# KiCad board fabiTEM_0-4.kicad_pcb
title: fabiTEM split keyboard; date: 2024-05-19; rev: 0.5; note: Made by GEIST & fabi
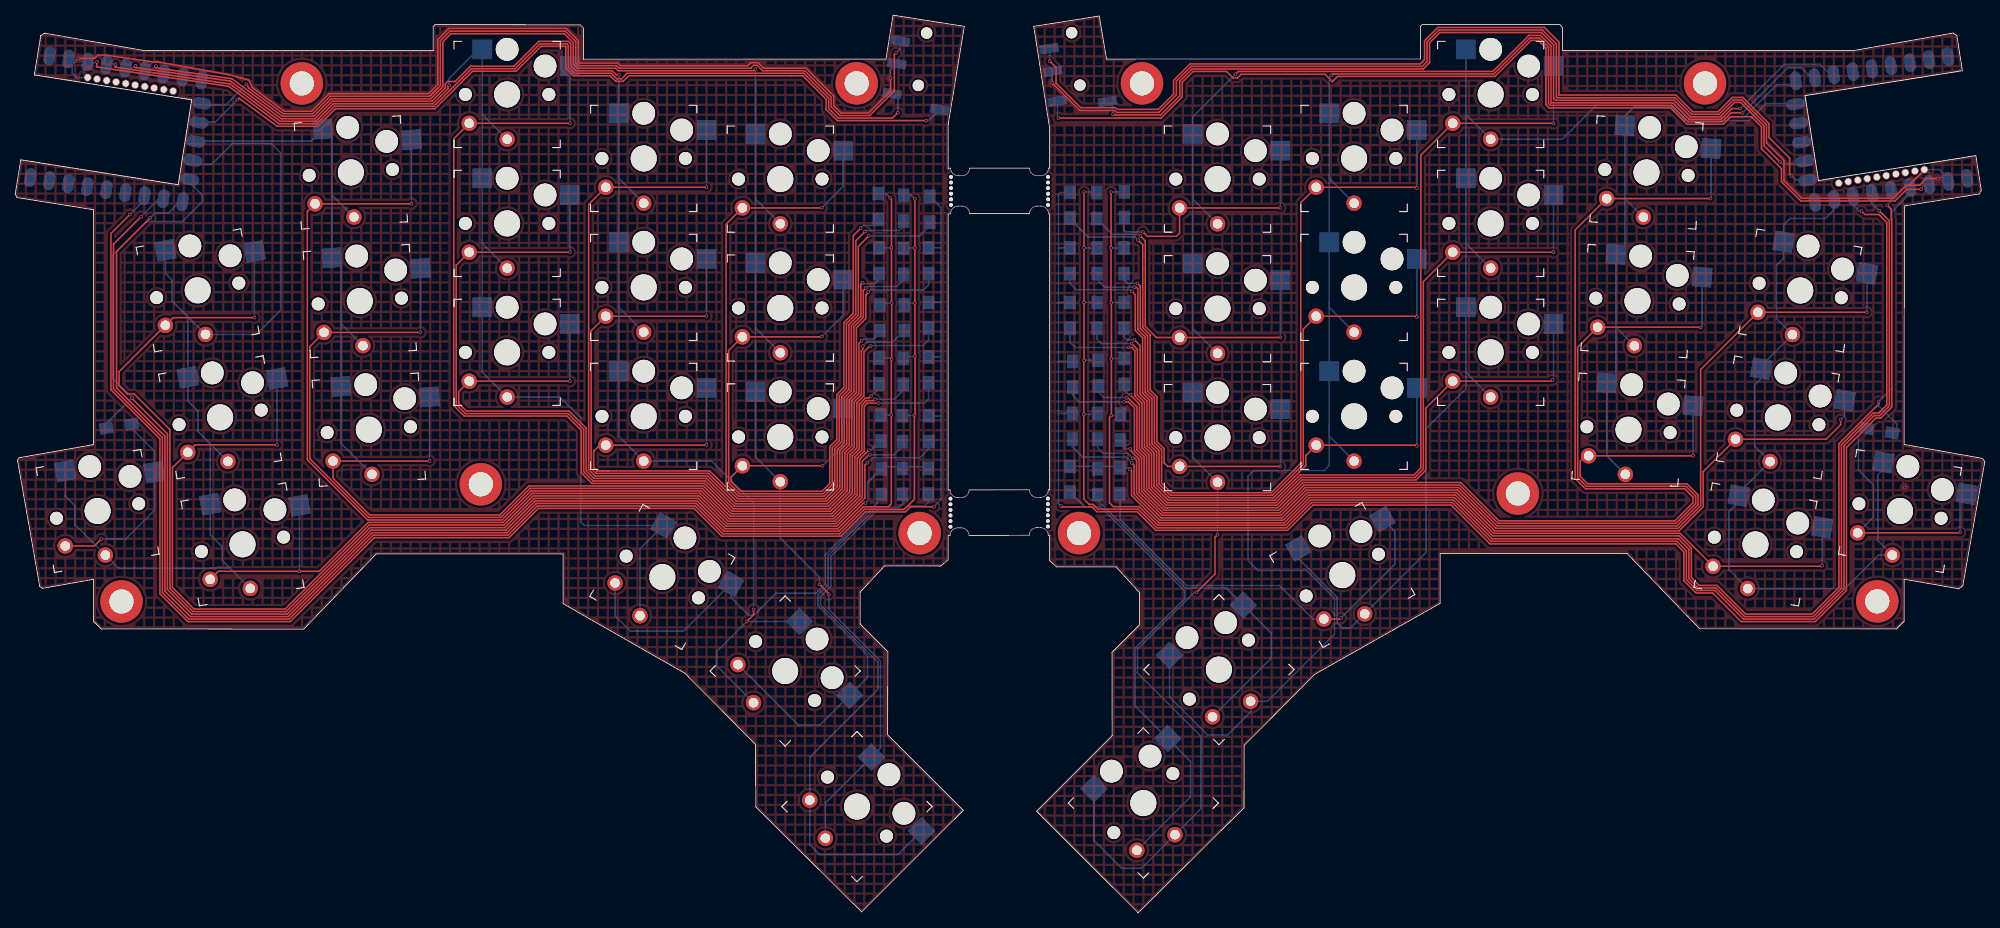
[diagram p0: board, top side]
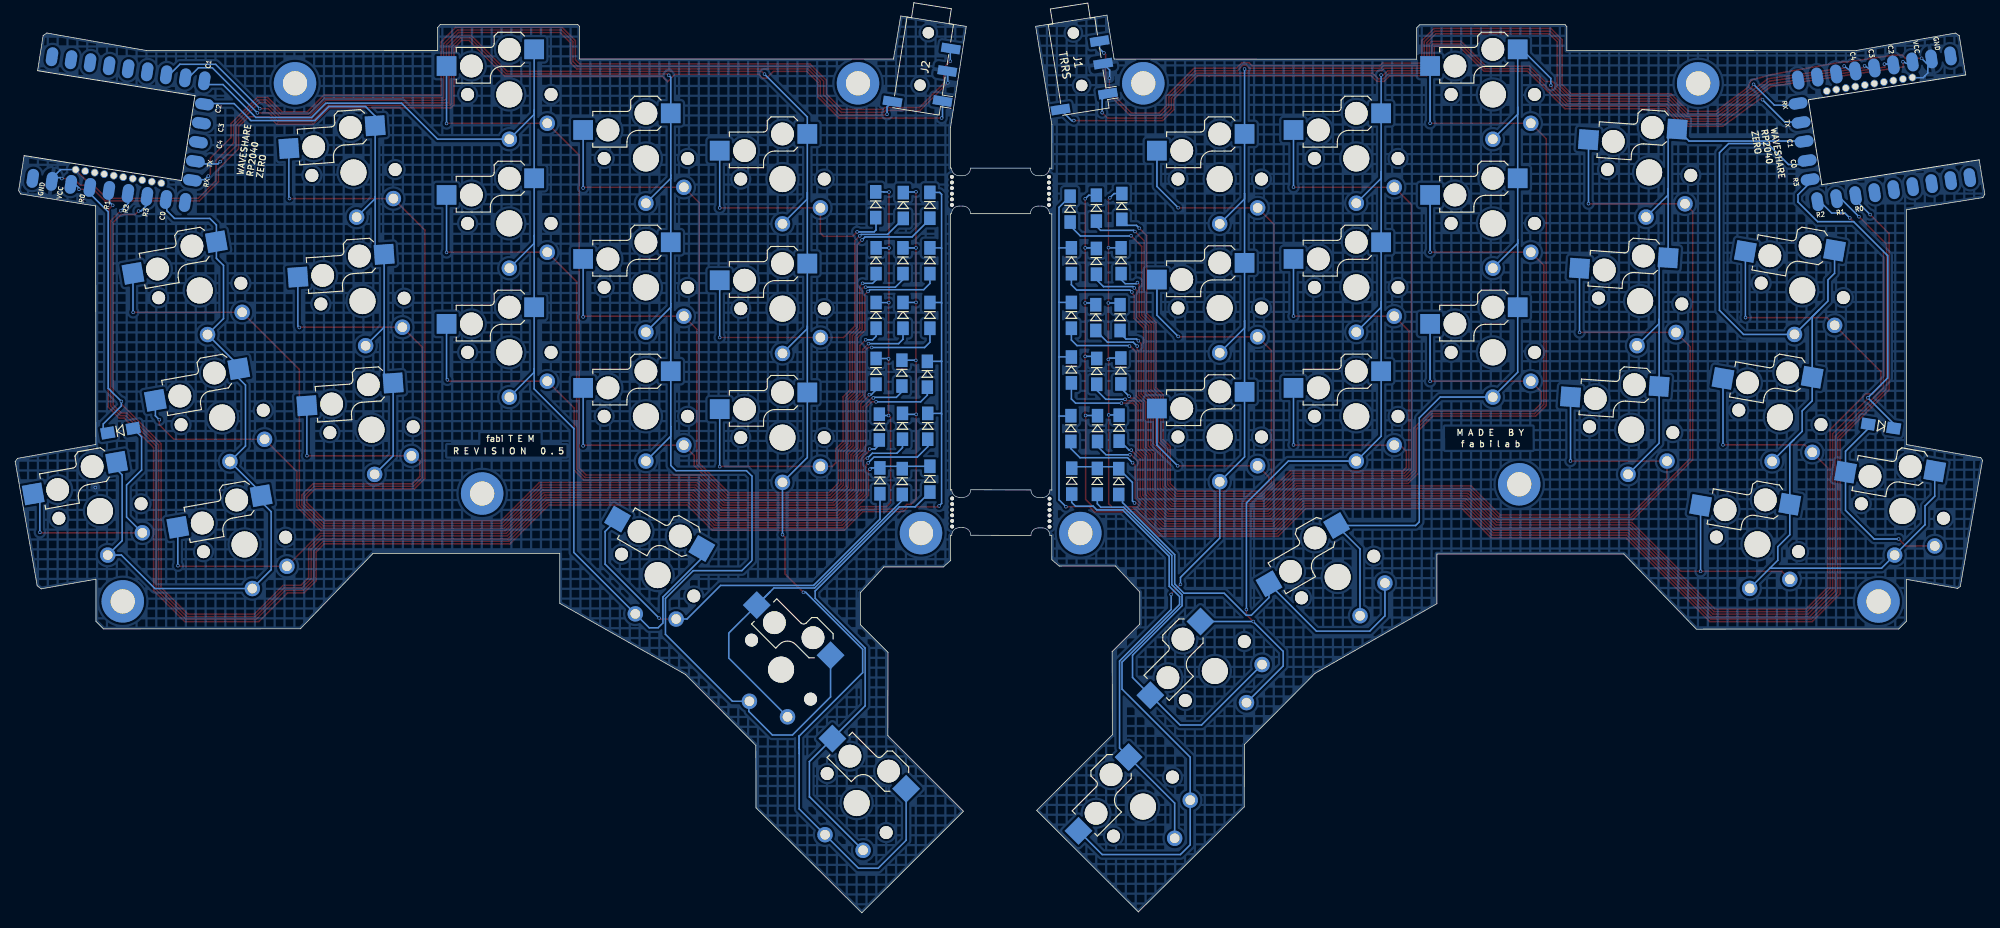
[diagram p1: board, bottom side, seen from below]

Outline 259.59 x 118.35 mm; copper layers: Top, Bottom. Coordinates in mm from the lower left corner of the outline.
Outline path: 0.74,99.28 0,94.75 0.25,94.3 10.31,92.7 10.33,61.74 0.54,60.01 0.53,60.01 0.3,59.67 3.24,43.02 3.58,42.78 10.34,43.97 10.34,38.43 11.34,37.43 38.02,37.4 47.57,47.31 72.21,47.31 72.21,40.75 88.29,31.56 97.59,22.19 97.61,13.96 111.56,0.11 124.96,13.51 114.99,23.48 115.01,34.46 111.38,38.06 111.38,42.3 114.58,45.73 122,45.72 122.96,46.56 122.97,49.74 123.22,49.76 ; 2.52,110.47 3.37,115.65 3.86,115.99 16.93,113.69 55.09,113.7 55.09,116.85 55.33,117.11 74.51,117.08 74.88,116.68 74.88,112.55 114.76,112.56 115.7,118.35 125.09,116.88 122.96,103.92 122.97,98.18 123.29,98.18 ; 123.29,92.18 122.97,92.15 122.97,55.75 123.22,55.76 ; 125.79,92.18 133.68,92.18 ; 125.79,98.18 133.68,98.18 ; 133.65,49.78 125.72,49.76 ; 133.65,55.78 125.72,55.76 ; 136.18,92.18 136.32,92.15 136.32,55.75 136.15,55.78 ; 136.18,98.18 136.31,98.2 136.32,103.52 134.24,116.88 142.88,118.25 143.84,112.57 185.2,112.58 185.2,116.87 185.43,117.11 203.58,117.11 203.94,116.7 203.94,113.7 242.34,113.7 255.41,116 255.9,115.66 256.63,111.03 ; 136.15,49.78 136.31,49.75 136.3,46.44 137.26,45.61 145.08,45.61 148.18,42.21 148.18,37.98 144.55,34.34 144.58,23.37 134.61,13.4 148.01,0 161.96,13.85 161.98,22.07 171.27,31.45 187.81,40.81 187.81,47.36 212.45,47.36 222,37.45 247.95,37.44 248.95,38.44 248.95,43.98 256.16,42.72 256.69,43.13 259.59,59.5 259.28,59.92 248.96,61.75 248.99,93.2 258.88,94.78 259.13,95.24 258.41,99.84
Stack: Top 0.035mm / dielectric 1.51mm FR4 er 4.5 / Bottom 0.035mm

## Placement (name value [footprint] x y rotation side)
DL1  1N4148W  [Diode_SOD123]  120.45 63.84 270 bottom
DL2  1N4148W  [Diode_SOD123]  120.39 71.57 270 bottom
DL3  1N4148W  [Diode_SOD123]  120.39 78.77 270 bottom
DL4  1N4148W  [Diode_SOD123]  120.39 85.97 270 bottom
DL5  1N4148W  [Diode_SOD123]  120.55 92.77 270 bottom
DL6  1N4148W  [Diode_SOD123]  116.94 63.84 270 bottom
DL7  1N4148W  [Diode_SOD123]  117.04 71.39 270 bottom
DL8  1N4148W  [Diode_SOD123]  117.17 78.47 270 bottom
DL9  1N4148W  [Diode_SOD123]  117.09 85.89 270 bottom
DL10  1N4148W  [Diode_SOD123]  117.09 92.9 270 bottom
DL11  1N4148W  [Diode_SOD123]  114.1 63.89 270 bottom
DL12  1N4148W  [Diode_SOD123]  113.87 71.44 270 bottom
DL13  1N4148W  [Diode_SOD123]  113.97 78.47 270 bottom
DL14  1N4148W  [Diode_SOD123]  113.84 85.97 270 bottom
DL15  1N4148W  [Diode_SOD123]  113.74 93.13 270 bottom
DL16  1N4148W  [Diode_SOD123]  13.69 64.17 9 bottom
DL17  1N4148W  [Diode_SOD123]  114.15 56.86 270 bottom
DL18  1N4148W  [Diode_SOD123]  116.97 56.88 270 bottom
DL19  1N4148W  [Diode_SOD123]  120.35 56.91 270 bottom
DR1  1N4148W  [Diode_SOD123]  145.69 64.05 270 bottom
DR2  1N4148W  [Diode_SOD123]  146.13 71.39 270 bottom
DR3  1N4148W  [Diode_SOD123]  146.13 78.77 270 bottom
DR4  1N4148W  [Diode_SOD123]  146.13 85.97 270 bottom
DR5  1N4148W  [Diode_SOD123]  146.18 93.36 270 bottom
DR6  1N4148W  [Diode_SOD123]  142.65 64.15 270 bottom
DR7  1N4148W  [Diode_SOD123]  142.72 71.16 270 bottom
DR8  1N4148W  [Diode_SOD123]  142.58 78.77 270 bottom
DR9  1N4148W  [Diode_SOD123]  142.58 85.97 270 bottom
DR10  1N4148W  [Diode_SOD123]  142.54 93.26 270 bottom
DR11  1N4148W  [Diode_SOD123]  139.32 64.15 270 bottom
DR12  1N4148W  [Diode_SOD123]  139.37 71.01 270 bottom
DR13  1N4148W  [Diode_SOD123]  139.03 78.77 270 bottom
DR14  1N4148W  [Diode_SOD123]  139.03 85.97 270 bottom
DR15  1N4148W  [Diode_SOD123]  139.04 93.28 270 bottom
DR16  1N4148W  [Diode_SOD123]  245.71 63.57 170 bottom
DR17  1N4148W  [Diode_SOD123]  145.62 56.96 270 bottom
DR18  1N4148W  [Diode_SOD123]  142.67 56.86 270 bottom
DR19  1N4148W  [Diode_SOD123]  139.03 57.17 270 bottom
J1  PJ-320D  [Jack_3.5mm_PJ320D_Horizontal#2]  119.38 111.28 261 bottom
J2  PJ-320D  [Jack_3.5mm_PJ320D_Horizontal]  139.98 111.32 279 bottom
REF**  mousebites 2mm  [mousebites_2.5mm]  136.15 52.78 0 top
REF**#2  -  [MountingHole_3.2mm_M3_DIN965_Pad]  119.21 50.07 0 top
REF**#3  -  [MountingHole_3.2mm_M3_DIN965_Pad]  198.04 55.28 0 top
REF**#4  -  [MountingHole_3.2mm_M3_DIN965_Pad]  14.01 41.05 0 top
REF**#5  -  [MountingHole_3.2mm_M3_DIN965_Pad]  245.41 41.07 0 top
REF**#6  -  [MountingHole_3.2mm_M3_DIN965_Pad]  222.71 109.37 0 top
REF**#7  -  [MountingHole_3.2mm_M3_DIN965_Pad]  61.37 56.5 0 top
REF**#8  -  [MountingHole_3.2mm_M3_DIN965_Pad]  37.78 109.36 0 top
REF**#9  mousebites 2mm  [mousebites_2.5mm]  123.22 52.76 180 top
REF**#10  mousebites 2mm  [mousebites_2.5mm]  136.18 95.18 0 top
REF**#11  -  [MountingHole_3.2mm_M3_DIN965_Pad]  140.21 50.07 0 top
REF**#12  -  [MountingHole_3.2mm_M3_DIN965_Pad]  110.91 109.37 0 top
REF**#13  mousebites 2mm  [mousebites_2.5mm]  123.29 95.18 180 top
REF**#14  -  [MountingHole_3.2mm_M3_DIN965_Pad]  148.51 109.37 0 top
SWL1  CPG135001S30  [Kailh_socket_PG1350_reverse]  24.06 82.07 190 bottom
SWL2  CPG135001S30  [Kailh_socket_PG1350_reverse#2]  44.24 97.62 184 bottom
SWL3  CPG135001S30  [Kailh_socket_PG1350_reverse#2]  64.84 107.9 180 bottom
SWL4  CPG135001S30  [Kailh_socket_PG1350_reverse#2]  82.84 99.46 180 bottom
SWL5  CPG135001S30  [Kailh_socket_PG1350_reverse#2]  100.84 96.74 180 bottom
SWL6  CPG135001S30  [Kailh_socket_PG1350_reverse]  27.01 65.33 190 bottom
SWL7  CPG135001S30  [Kailh_socket_PG1350_reverse#2]  45.43 80.66 184 bottom
SWL8  CPG135001S30  [Kailh_socket_PG1350_reverse#2]  64.84 90.9 180 bottom
SWL9  CPG135001S30  [Kailh_socket_PG1350_reverse#2]  82.84 82.46 180 bottom
SWL10  CPG135001S30  [Kailh_socket_PG1350_reverse#2]  100.84 79.74 180 bottom
SWL11  CPG135001S30  [Kailh_socket_PG1350_reverse]  29.96 48.58 190 bottom
SWL12  CPG135001S30  [Kailh_socket_PG1350_reverse#2]  46.61 63.7 184 bottom
SWL13  CPG135001S30  [Kailh_socket_PG1350_reverse#2]  64.84 73.9 180 bottom
SWL14  CPG135001S30  [Kailh_socket_PG1350_reverse#2]  82.84 65.46 180 bottom
SWL15  CPG135001S30  [Kailh_socket_PG1350_reverse#2]  100.84 62.74 180 bottom
SWL16  CPG135001S30  [Kailh_socket_PG1350_reverse]  10.86 52.98 190 bottom
SWL17  CPG135001S30  [Kailh_socket_PG1350_reverse#2]  85.29 44.28 150 bottom
SWL18  CPG135001S30  [Kailh_socket_PG1350_reverse#2]  101.48 31.88 135 bottom
SWL19  CPG135001S30  [Kailh_socket_PG1350_reverse#2]  110.95 14.01 135 bottom
SWR1  CPG135001S30  [Kailh_socket_PG1350_reverse#2]  235.26 82.05 170 bottom
SWR2  CPG135001S30  [Kailh_socket_PG1350_reverse#2]  215 97.61 176 bottom
SWR3  CPG135001S30  [Kailh_socket_PG1350_reverse#2]  194.46 107.9 180 bottom
SWR4  CPG135001S30  [Kailh_socket_PG1350_reverse#2]  176.46 99.46 180 bottom
SWR5  CPG135001S30  [Kailh_socket_PG1350_reverse#2]  158.46 96.74 180 bottom
SWR6  CPG135001S30  [Kailh_socket_PG1350_reverse#2]  232.31 65.31 170 bottom
SWR7  CPG135001S30  [Kailh_socket_PG1350_reverse#2]  213.81 80.65 176 bottom
SWR8  CPG135001S30  [Kailh_socket_PG1350_reverse#2]  194.46 90.9 180 bottom
SWR9  CPG135001S30  [Kailh_socket_PG1350_reverse#2]  176.46 82.46 180 bottom
SWR10  CPG135001S30  [Kailh_socket_PG1350_reverse#2]  158.46 79.66 180 bottom
SWR11  CPG135001S30  [Kailh_socket_PG1350_reverse#2]  229.36 48.57 170 bottom
SWR12  CPG135001S30  [Kailh_socket_PG1350_reverse#2]  212.63 63.69 176 bottom
SWR13  CPG135001S30  [Kailh_socket_PG1350_reverse#2]  194.46 73.9 180 bottom
SWR14  CPG135001S30  [Kailh_socket_PG1350_reverse#2]  176.46 65.46 180 bottom
SWR15  CPG135001S30  [Kailh_socket_PG1350_reverse#2]  158.46 62.66 180 bottom
SWR16  CPG135001S30  [Kailh_socket_PG1350_reverse#2]  248.41 52.98 170 bottom
SWR17  CPG135001S30  [Kailh_socket_PG1350_reverse#2]  174.91 44.53 210 bottom
SWR18  CPG135001S30  [Kailh_socket_PG1350_reverse#2]  158.65 32.07 225 bottom
SWR19  CPG135001S30  [Kailh_socket_PG1350_reverse#2]  148.69 14.47 225 bottom
U1  RP2040-Zero  [rp2040-zero-smd-pads]  13.29 103.37 261 bottom
U2  RP2040-Zero  [rp2040-zero-smd-pads]  245.97 103.27 99 bottom

## Library data of the parts
DL1-DL19 DR1-DR19 = -: Description: 100V 0.15A Fast Switching Diode, SOD-123; Sim.Device: D; Sim.Pins: 1=K 2=A; ki_fp_filters: TO-???* *_Diode_* *SingleDiode* D_*
SWL1-SWL19 SWR1-SWR19 = -: Description: Push button switch, normally open, two pins, 45° tilted
U1 U2 = -: Datasheet: https://files.waveshare.com/upload/4/4c/RP2040_Zero.pdf

## Footprints (pads in the part's own frame, mm; a bottom-side part is the same pattern mirrored in y, then rotated)
Diode_SOD123
  rect 1.8x1.5 smd: 1(-1.7,0) 2(1.7,0)
Jack_3.5mm_PJ320D_Horizontal
  round 1.5 hole 1.5 unplated: (-4.775,0) (2.225,0)
  rect 1.2x2.5 smd: R1(-0.175,3.25) R2(-3.175,3.25) S(4.925,-3.25) T(3.825,3.25)
Jack_3.5mm_PJ320D_Horizontal#2
  round 1.5 hole 1.5 unplated: (-4.775,0) (2.225,0)
  rect 1.2x2.5 smd: R1(-0.175,3.25) R2(-3.175,3.25) S(4.925,-3.25) T(3.825,3.25)
Kailh_socket_PG1350_reverse
  round 1.702 hole 1.702 unplated: (-5.5,0) (5.5,0)
  round 3 hole 3 unplated: (-5,3.75) (0,5.95)
  round 3.429 hole 3.429 unplated: (0,0)
  round 2.032 hole 1.27: 1(0,-5.9) 2(5,-3.8)
  rect 2.6x2.6 smd: 1(3.275,5.95) 2(-8.275,3.75)
Kailh_socket_PG1350_reverse#2
  round 1.702 hole 1.702 unplated: (-5.5,0) (5.5,0)
  round 3 hole 3 unplated: (-5,3.75) (0,5.95)
  round 3.429 hole 3.429 unplated: (0,0)
  round 2.032 hole 1.27: 1(0,-5.9) 2(5,-3.8)
  rect 2.6x2.6 smd: 1(3.275,5.95) 2(-8.275,3.75)
MountingHole_3.2mm_M3_DIN965_Pad
  round 5.6 hole 3.2: 1(0,0)
mousebites_2.5mm
  round 0.5 hole 0.5 unplated: (-0.05,1.85) (-0.05,1.11) (-0.05,0.37) (-0.05,-0.37) (-0.05,-1.11) (-0.05,-1.85)
rp2040-zero-smd-pads
  oval 2.5x1.5 smd: 1(7.62,10.16) 2(7.62,7.62) 3(7.62,5.08) 4(7.62,2.54) 5(7.62,0) 6(7.62,-2.54) 7(7.62,-5.08) 8(7.62,-7.62) 9(7.62,-10.16) 15(-7.62,-10.16) 16(-7.62,-7.62) 17(-7.62,-5.08) 18(-7.62,-2.54) 19(-7.62,0) 20(-7.62,2.54) 21(-7.62,5.08) 22(-7.62,7.62) 23(-7.62,10.16)
  oval 1.5x2.5 smd: 10(5.08,-10.16) 11(2.54,-10.16) 12(0,-10.16) 13(-2.54,-10.16) 14(-5.08,-10.16)
  round 1 hole 0.8: 24(-6.096,-6.674) 25(-6.096,-5.404) 26(-6.096,-4.134) 27(-6.096,-2.864) 28(-6.096,-1.594) 29(-6.096,-0.324) 30(-6.096,0.946) 31(-6.096,2.216) 32(-6.096,3.486) 33(-6.096,4.756)

## Nets
GND_L: J1.R1 U1.22 U1.33
GND_R: J2.R1 U2.22 U2.33
VCC_L: J1.T U1.21
VCC_R: J2.T U2.21
COL0_L: SWL1.1 SWL6.1 SWL11.1 SWL16.1 U1.11
COL0_R: SWR1.1 SWR6.1 SWR11.1 SWR16.1 U2.16
COL1_L: SWL2.1 SWL7.1 SWL12.1 U1.12
COL1_R: SWR2.1 SWR7.1 SWR12.1 U2.10
COL2_L: SWL3.1 SWL8.1 SWL13.1 SWL17.1 U1.20
COL2_R: SWR3.1 SWR8.1 SWR13.1 SWR17.1 U2.9
COL3_L: SWL4.1 SWL9.1 SWL14.1 SWL18.1 U1.19
COL3_R: SWR4.1 SWR9.1 SWR14.1 SWR18.1 U2.8
COL4_L: SWL5.1 SWL10.1 SWL15.1 SWL19.1 U1.18
COL4_R: SWR5.1 SWR10.1 SWR15.1 SWR19.1 U2.7
ROW0_L: DL1.1 DL2.1 DL3.1 DL4.1 DL5.1 U1.7
ROW0_R: DR1.1 DR2.1 DR3.1 DR4.1 DR5.1 U2.17
ROW1_L: DL6.1 DL7.1 DL8.1 DL9.1 DL10.1 U1.8
ROW1_R: DR6.1 DR7.1 DR8.1 DR9.1 DR10.1 U2.18
ROW2_L: DL11.1 DL12.1 DL13.1 DL14.1 DL15.1 U1.9
ROW2_R: DR11.1 DR12.1 DR13.1 DR14.1 DR15.1 U2.19
ROW3_L: DL16.1 DL17.1 DL18.1 DL19.1 U1.10
ROW3_R: DR16.1 DR17.1 DR18.1 DR19.1 U2.20
RX_L: J1.R2 U1.14
RX_R: J2.R2 U2.14
TX_L: J1.S U1.13
TX_R: J2.S U2.13
Net-(DL1-A): DL1.2 SWL1.2
Net-(DL2-A): DL2.2 SWL2.2
Net-(DL3-A): DL3.2 SWL3.2
Net-(DL4-A): DL4.2 SWL4.2
Net-(DL5-A): DL5.2 SWL5.2
Net-(DL6-A): DL6.2 SWL6.2
Net-(DL7-A): DL7.2 SWL7.2
Net-(DL8-A): DL8.2 SWL8.2
Net-(DL9-A): DL9.2 SWL9.2
Net-(DL10-A): DL10.2 SWL10.2
Net-(DL11-A): DL11.2 SWL11.2
Net-(DL12-A): DL12.2 SWL12.2
Net-(DL13-A): DL13.2 SWL13.2
Net-(DL14-A): DL14.2 SWL14.2
Net-(DL15-A): DL15.2 SWL15.2
Net-(DL16-A): DL16.2 SWL16.2
Net-(DL17-A): DL17.2 SWL17.2
Net-(DL18-A): DL18.2 SWL18.2
Net-(DL19-A): DL19.2 SWL19.2
Net-(DR1-A): DR1.2 SWR1.2
Net-(DR2-A): DR2.2 SWR2.2
Net-(DR3-A): DR3.2 SWR3.2
Net-(DR4-A): DR4.2 SWR4.2
Net-(DR5-A): DR5.2 SWR5.2
Net-(DR6-A): DR6.2 SWR6.2
Net-(DR7-A): DR7.2 SWR7.2
Net-(DR8-A): DR8.2 SWR8.2
Net-(DR9-A): DR9.2 SWR9.2
Net-(DR10-A): DR10.2 SWR10.2
Net-(DR11-A): DR11.2 SWR11.2
Net-(DR12-A): DR12.2 SWR12.2
Net-(DR13-A): DR13.2 SWR13.2
Net-(DR14-A): DR14.2 SWR14.2
Net-(DR15-A): DR15.2 SWR15.2
Net-(DR16-A): DR16.2 SWR16.2
Net-(DR17-A): DR17.2 SWR17.2
Net-(DR18-A): DR18.2 SWR18.2
Net-(DR19-A): DR19.2 SWR19.2

Pads without a net: REF**#2 1; REF**#3 1; REF**#4 1; REF**#5 1; REF**#6 1; REF**#7 1; REF**#8 1; REF**#11 1; REF**#12 1; REF**#14 1; U1 1 2 3 4 5 6 15 16 17 23 24 25 26 27 28 29 30 31 32; U2 1 2 3 4 5 6 11 12 15 23 24 25 26 27 28 29 30 31 32

## Via types
v1: diameter 0.45, hole 0.3, Top to Bottom, 128 vias

## Routing (per net, layer and track width the routed paths; a pad name or vN(x,y) marks a point on that pad's centre or on a via; arc(x,y) is an arc through that point)
GND_L: length 135.3
  Top w0.2: 31.24,108.85 30.78,109.79 28.17,110.5 18.69,112.2 18.34,112.15 12.09,113.07 10.9,113.09 10.46,112.66 v1(8.33,112.66) ; 31.24,108.85 31.43,108.66 35.45,105.68 39.06,105.68 41.38,108 54.5,108 55.7,109.2 55.7,115.12 57.18,116.6 72.61,116.6 74.21,114.99 74.21,112.18 74.36,112.03 79.39,112.03 79.73,111.69 96.57,111.69 96.97,112.09 97.91,112.09 98.64,111.36 104.22,111.36 107.87,107.7 107.87,106.41 108.83,105.45 112.47,105.45 115.37,108.34 v1(115.37,110.05) ; 31.24,108.85 31.27,108.8
  Bottom w0.2: v1(115.37,110.05) 115.34,110.07 115.34,111.11 J1.R1 ; 9.57,110.1 8.12,110.1 7.9,110.32 7.9,110.35 7.52,110.73 7.52,111.52 6.98,112.06 7.73,112.06 v1(8.33,112.66)
GND_R: length 153.6
  Top w0.2: 249.61,95.94 251.62,97.95 U2.33 ; 249.61,95.94 249.28,95.94 247.54,94.2 235.46,94.2 233.12,96.53 233.12,99.2 230.81,101.51 230.81,103.91 227.55,107.17 226.45,107.17 224.57,105.3 220.94,105.3 218.79,107.45 203.23,107.45 203.12,107.56 203.12,114.56 201.29,116.4 187.62,116.4 186.08,114.85 186.08,112.24 185.43,111.59 154.97,111.59 153.04,109.66 153.04,107.86 150.71,105.53 145.16,105.53 144.89,105.8 140.32,105.8 v1(136.68,109.44) ; 249.61,95.94 251.02,95.94 251.89,96.81 v1(253.44,96.81)
  Bottom w0.2: J2.R1 136.68,110.92 v1(136.68,109.44) ; v1(253.44,96.81) 253.56,96.93 254.66,96.93 253.61,97.99 251.6,97.99
  vias: v1(249.02,56.07)
VCC_L: length 124.2
  Top w0.2: v1(116.33,105.5) 115.62,104.79 108.47,104.79 107.21,106.05 107.21,107.41 103.93,110.7 80.66,110.7 79.92,109.95 79.3,109.95 78.56,110.7 73.71,110.7 72.89,111.52 72.89,114.37 72.7,114.57 69.15,114.57 65.88,111.29 60.13,111.29 55.19,106.35 42.06,106.35 39.75,104.03 34.8,104.03 28.14,108.96 10.72,111.53 v1(10.8,112.2)
  Bottom w0.2: v1(10.8,112.2) 9.48,111.66 ; J1.T 116.33,107.25 v1(116.33,105.5)
VCC_R: length 141.7
  Top w0.2: v1(137.49,104.79) 151.01,104.79 153.81,107.58 153.81,109.5 155.24,110.93 159.67,110.93 160.54,110.06 161.07,110.06 161.56,110.55 172.62,110.55 173.59,109.58 174.28,110.27 195.02,110.27 199.77,115.02 200.74,115.02 201.75,114.01 201.75,106.54 202.16,106.13 218.17,106.13 220.33,103.98 225.12,103.98 226.11,104.97 228.83,104.97 230.15,103.64 230.15,100.75 232.79,98.11 232.79,96.4 235.32,93.87 237.34,93.87 247.75,93.87 249.28,95.39 v1(251.18,95.39)
  Bottom w0.2: J2.T 137.37,104.91 v1(137.49,104.79) ; 252.15,96.54 251.18,95.56 v1(251.18,95.39)
COL0_L: length 134.1
  Bottom w0.2: SWL1.1 19.8,84.32 20.68,83.44 20.68,80.66 21.91,79.43 ; SWL16.1 6.6,54.93 7.88,53.65 7.88,51.17 SWL16.1 13.62,45.43 28.3,45.43 28.32,45.45 ; SWL11.1 28.32,45.45 ; 28.32,45.45 27.29,46.48 27.29,48.27 25.7,49.85 SWL11.1 25.7,61.85 25.2,62.35 ; 21.91,79.43 22.75,78.59 SWL6.1 22.75,67.5 24.07,66.18 24.07,63.48 25.2,62.35 ; 21.91,79.43 SWL1.1 31.8,76.26 34.98,79.44 34.98,100.22 33.77,101.42 28.64,101.42 25.88,98.67 23.52,98.67 22.95,99.24 ; 25.2,62.35 SWL6.1
COL0_R: length 98.9
  Bottom w0.2: 239.61,94.55 239.61,92.58 238.58,91.55 233.93,91.55 233.07,90.69 SWR1.1 233.07,86.3 232.13,85.36 232.13,78.35 SWR1.1 230.12,72.12 SWR6.1 230.12,70.47 229.23,69.58 229.23,61.55 SWR6.1 227.17,55.38 SWR11.1 227.17,54.2 225.86,52.9 225.86,45.23 SWR11.1 241.18,42.76 245.58,47.17 SWR16.1 245.49,49.06 245.49,57.75 246.22,58.48 SWR16.1
COL1_L: length 75.6
  Bottom w0.2: 41.74,95.47 SWL7.1 42.93,85.18 42.93,78.21 ; 41.74,95.47 41.74,102.14 SWL2.1 38.98,101.75 23.34,101.75 ; 41.74,95.47 41.74,94.64 SWL2.1 ; SWL7.1 42.93,77.68 42.93,78.21 ; 42.93,78.21 SWL12.1 42.93,61.91 SWL12.1
COL1_R: length 81.7
  Bottom w0.2: SWR12.1 209.77,60.25 SWR12.1 210.96,71.04 210.96,77.27 ; SWR2.1 212.15,94.17 212.15,94.41 ; SWR7.1 210.96,77.21 210.96,77.27 ; U2.10 230.74,106.69 228.65,104.61 228.65,104.58 228.52,104.46 220.09,104.46 218.24,106.31 213.41,106.31 212.15,105.05 SWR2.1 212.15,94.41 ; 210.96,77.27 SWR7.1 212.15,88 212.15,94.41